# Altium PCB as_x31.PcbDoc (part 3 of 5)
Units mm, origin at the board's own origin, x right, y up, seen from the top; angles counter-clockwise.
Board outline 130 x 100 mm, 6 copper layers (Top Layer, Ground_1, Power_1, Mid_1, Ground_2, Bottom Layer), stack 0.928 mm thick; 402 components, 373 nets, 2529 pads, 1429 vias.
Unrouted connection lines stored in the file: 648.
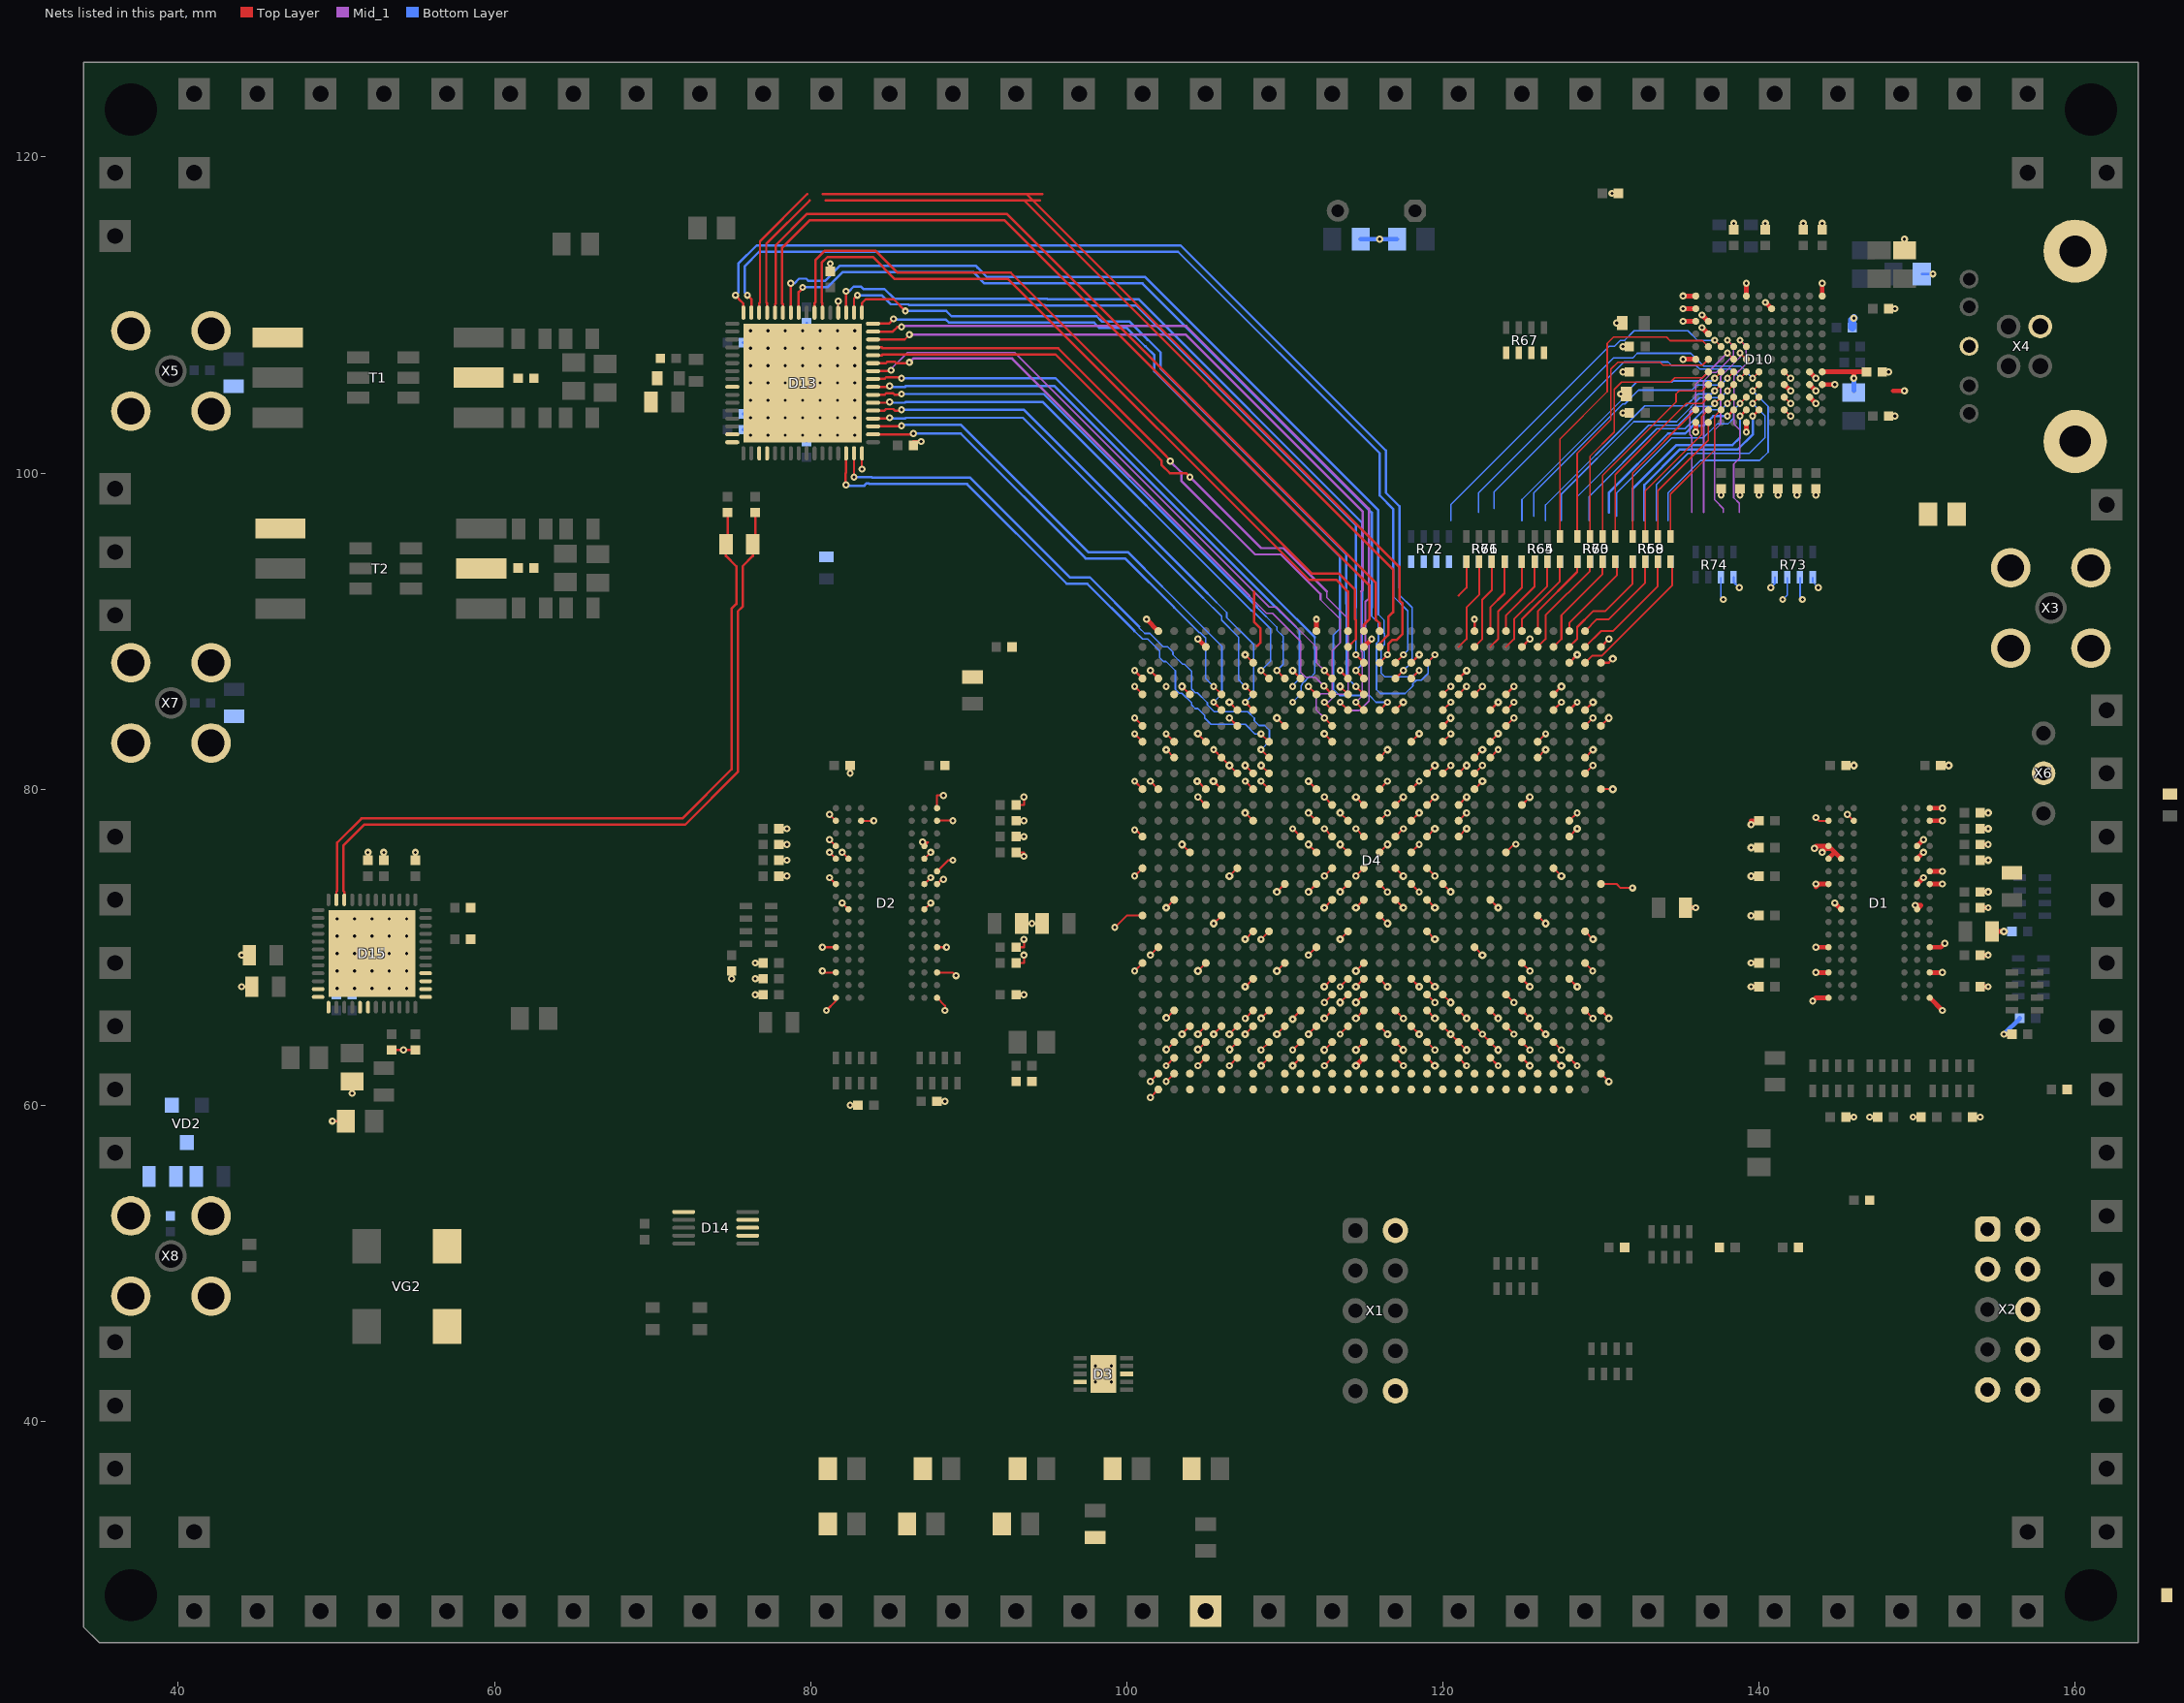
[diagram p6: the nets of this part, all layers, seen from the top]

## Via types
v1: diameter 0.45, hole 0.2, Top Layer to Bottom Layer, 1034 vias
v2: diameter 0.5, hole 0.2, Top Layer to Bottom Layer, 395 vias

## Nets (pads, with @x,y where several pads share a name; then routed paths per layer and width w, separated by ;. In a path a pad name is that pad's centre, name@x,y a point inside that pad or via, vN(x,y) a via of type N, cw(c..) or ccw(c..) an arc to the next point about the centre after c; other vN are vias at no path point)
0V: C1.1 C2.1 C3.2 C4.2 C5.2 C6.2 C7.2 C8.2 C9.2 C10.2 C11.2 C12.2 C13.2 C14.2 C15.1 C16.1 C17.1 C18.1 C19.1 C20.1 C21.1 C22.1 C23.1 C24.1 C25.1 C26.1 C27.1 C28.1 C29.1 C30.1 C31.1 C32.1 C33.1 C34.1 C35.1 C36.1 C37.1 C38.1 C39.1 C40.1 C41.1 C42.1 C43.1 C44.1 C45.1 C46.1 C47.1 C48.1 C49.1 C50.1 C51.1 C52.1 C53.1 C54.1 C55.1 C56.1 C57.1 C58.1 C59.1 C60.1 C61.1 C62.1 C63.1 C64.1 C65.1 C66.1 C67.1 C68.1 C69.1 C70.1 C71.1 C72.1 C73.1 C74.1 C75.1 C76.1 C77.1 C78.1 C79.1 C80.1 C81.1 C82.1 C83.1 C84.1 C85.1 C86.1 C87.1 C88.1 C89.1 C90.1 C91.1 C92.1 C93.1 C94.1 C95.1 C96.1 C97.1 C98.1 C99.1 C100.1 C101.1 C102.1 C103.1 C104.1 C105.1 C106.1 C107.1 C108.1 C109.1 C110.1 C111.1 C112.1 C113.1 C114.1 C115.1 C116.1 C117.1 C118.1 C119.1 C122.1 C123.1 C124.1 C125.1 C126.1 C127.1 C128.1 C129.1 C130.1 C131.1 C132.1 C133.1 C134.1 C135.1 C136.1 C137.1 C138.1 C139.1 C140.1 C141.1 C142.1 C143.2 C144.2 C145.1 C146.1 C147.1 C148.1 C149.2 C150.2 C152.2 C153.2 C154.2 C155.2 C156.2 C157.1 C158.1 C159.1 C160.1 C161.1 C162.1 C163.1 C164.1 C165.1 C166.1 C167.2 C168.2 C169.2 C171.1 C172.1 C173.2 C174.2 C175.2 C176.2 C177.1 C178.1 C179.2 C182.1 C183.1 C184.1 C185.1 C186.1 C187.1 C188.1 C189.1 C190.1 C191.1 C192.1 C193.1 C194.1 C195.1 C196.1 C197.1 C198.1 C199.1 C200.1 C201.1 C202.1 C203.1 C204.1 C205.1 C206.1 C207.1 C208.1 C209.1 C210.1 C211.1 C212.1 C213.1 C214.1 C218.2 C233.2 C234.1 C235.1 C236.1 C237.1 C238.1 C239.1 C240.1 C241.1 C243.1 C244.1 C245.1 C246.1 C247.1 D1.A9 D1.B1 D1.B3 D1.B9 D1.D1 D1.D8 D1.E1 D1.E2 D1.E8 D1.F9 D1.G1 D1.G8 D1.G9 D1.J2 D1.J8 D1.M1 D1.M9 D1.P1 D1.P9 D1.T1 D1.T9 D2.A9 D2.B1 D2.B3 D2.B9 D2.D1 D2.D8 D2.E1 D2.E2 D2.E8 D2.F9 D2.G1 D2.G8 D2.G9 D2.J2 D2.J8 D2.M1 D2.M9 D2.P1 D2.P9 D2.T1 D2.T9 D3.4 D3.8 D3.11 D4.A9 D4.A12 D4.A15 D4.A17 D4.A20 D4.A23 D4.A24 D4.A26 D4.A27 D4.AA1 D4.AA2 D4.AA3 D4.AA4 D4.AA6 D4.AA17 D4.AA18 D4.AA19 D4.AA21 D4.AA27 D4.AB1 D4.AB2 D4.AB5 D4.AB10 D4.AB20 D4.AB21 D4.AB22 D4.AB30 D4.AC1 D4.AC2 D4.AC3 D4.AC4 D4.AC6 D4.AC13 D4.AC22 D4.AC23 D4.AC25 D4.AD1 D4.AD2 D4.AD5 D4.AD7 D4.AD16 D4.AD26 D4.AE1 D4.AE2 D4.AE3 D4.AE4 D4.AE6 D4.AE8 D4.AE9 D4.AE19 D4.AE29 D4.AF1 D4.AF2 D4.AF5 D4.AF12 D4.AF22 D4.AF23 D4.AG1 D4.AG2 D4.AG3 D4.AG4 D4.AG15 D4.AG25 D4.AG26 D4.AH1 D4.AH2 D4.AH3 D4.AH8 D4.AH17 D4.AH18 D4.AH25 D4.AH28 D4.AJ6 D4.AJ9 D4.AJ11 D4.AJ21 D4.AJ22 D4.AJ24 D4.AJ25 D4.AK2 D4.AK6 D4.AK14 D4.AK20 D4.AK24 D4.AK28 D4.AK29 D4.B1 D4.B2 D4.B10 D4.B20 D4.B27 D4.B30 D4.C2 D4.C3 D4.C4 D4.C6 D4.C13 D4.C22 D4.C23 D4.C26 D4.D1 D4.D2 D4.D5 D4.D16 D4.D26 D4.E3 D4.E4 D4.E5 D4.E9 D4.E19 D4.E20 D4.E23 D4.E29 D4.F1 D4.F2 D4.F5 D4.F12 D4.F20 D4.F22 D4.G3 D4.G4 D4.G5 D4.G15 D4.G21 D4.G24 D4.G25 D4.H1 D4.H2 D4.H5 D4.H6 D4.H8 D4.H11 D4.H18 D4.H20 D4.H21 D4.H28 D4.J3 D4.J4 D4.J6 D4.J11 D4.J20 D4.J21 D4.K1 D4.K2 D4.K5 D4.K9 D4.K14 D4.K24 D4.L1 D4.L2 D4.L3 D4.L4 D4.L6 D4.L17 D4.L27 D4.M1 D4.M2 D4.M5 D4.M10 D4.M14 D4.M16 D4.M18 D4.M20 D4.M26 D4.M30 D4.N1 D4.N2 D4.N3 D4.N4 D4.N6 D4.N7 D4.N8 D4.N13 D4.N15 D4.N17 D4.N19 D4.N23 D4.P1 D4.P2 D4.P5 D4.P7 D4.P8 D4.P11 D4.P14 D4.P16 D4.P18 D4.P26 D4.P27 D4.R1 D4.R2 D4.R3 D4.R4 D4.R6 D4.R7 D4.R8 D4.R9 D4.R13 D4.R15 D4.R17 D4.R19 D4.R29 D4.T1 D4.T2 D4.T5 D4.T8 D4.T12 D4.T14 D4.T16 D4.T18 D4.T20 D4.T22 D4.U1 D4.U2 D4.U3 D4.U4 D4.U6 D4.U13 D4.U15 D4.U17 D4.U19 D4.U25 D4.V1 D4.V2 D4.V5 D4.V8 D4.V14 D4.V16 D4.V18 D4.V20 D4.V23 D4.V28 D4.W1 D4.W2 D4.W3 D4.W4 D4.W6 D4.W7 D4.W8 D4.W11 D4.W13 D4.W15 D4.W17 D4.W19 D4.W21 D4.Y1 D4.Y2 D4.Y5 D4.Y7 D4.Y14 D4.Y24 D5.5 D6.1 D6.5 D6.14 D6.24 D6.25 D7.2 D7.3 D7.15 D8.2 D8.3 D8.15 D9.6 D9.17 D10.A1 D10.A8 D10.B7 D10.B8 D10.B9 D10.D8 D10.E2 D10.G1 D10.G11 D10.K3 D10.K4 D10.L1 D10.L2 D10.L3 D10.L6 D10.L11 D11.1 D11.2 D11.3 D11.4 D11.7 D12.6 D12.17 D13.20 D13.64 D15.49 pad.3@105,28 R13.2 R14.2 R15.1 R16.1 R20.1 R22.2 R23.2 R24.2 R33.1 R38.1 R39.2 R42.2 R44.1 R45.2 R49.1 R52.1 R53.2 R54.1 R59.1 R60.2 R61.1 R68.2 R79.2 R80.2 R83.1 R104.1 R105.2 R106.2 R109.2 R?.1 VD2.3 VG1.2 VG2.2 X1.2 X1.10 X2.2 X2.4 X2.6 X2.8 X2.9 X2.10 X3.2 X4.4 X4.7 X4.10 X6.2 X8.2 | length 248.7
  Top Layer w0.125: v1(75,68) C14.2@75,68.5 ; v1(76.5,67) C52.1@77,67 ; v1(76.5,68) C32.1@77,68 ; v1(76.5,69) C53.1@77,69 ; C54.1@78,74.5 v1(78.5,74.5) ; C55.1@78,75.5 v1(78.5,75.5) ; C56.1@78,76.5 v1(78.5,76.5) ; C57.1@78,77.5 v1(78.5,77.5) ; v1(80.75,68.5) 80.85,68.4 D2.P1@81.6,68.4 ; v1(80.75,70) D2.M1@81.6,70 ; v1(81,66) 81.6,66.6 D2.T1@81.6,66.8 ; v1(81.2,74.4) D2.G1@81.6,74 ; v1(81.2,76) D2.E1@81.6,75.6 ; v1(81.2,76.8) D2.D1@81.6,76.4 ; v1(81.2,78.4) D2.B1@81.6,78 ; D13.20@81.75,110.15 v1(81.75,110.875) ; v1(82,72.8) D2.J2@82.4,72.4 ; v1(82,76) D2.E2@82.4,75.6 ; v1(82.5,60) C10.2@83,60 ; v1(82.5,81) C59.1@82.5,81.5 ; D2.B3@83.2,78 v1(84,78) ; v1(83.25,100.25) D13.64@83.25,101.25 ; v1(87.083,76.65) 87.45,76.65 D2.D8@87.2,76.4 ; D2.J8@87.2,72.4 v1(87.6,72.8) ; D2.G8@87.2,74 v1(87.6,74.4) ; D2.E8@87.2,75.6 v1(87.6,76) ; C12.2@88,60.25 v1(88.5,60.25) ; D2.T9@88,66.8 88.5,66.3 v1(88.5,66) ; D2.P9@88,68.4 89,68.4 v1(89.2,68.2) ; D2.M9@88,70 88.4,70 v1(88.6,70) ; D2.G9@88,74 88.4,74.4 v1(88.4,74.3) ; D2.F9@88,74.8 88.7,75.5 v1(89,75.5) ; D2.B9@88,78 88.025,78.025 88.975,78.025 v1(89,78) ; D2.A9@88,78.8 88,79.6 v1(88.4,79.6) ; C31.1@93,67 v1(93.5,67) ; C33.1@93,69 93.5,69 v1(93.5,69.5) ; C34.1@93,70 93.5,70 v1(93.5,70.5) ; C35.1@93,76 93.5,76 ; C36.1@93,77 v1(93.5,77) ; C37.1@93,78 v1(93.5,78) ; C38.1@93,79 93.5,79 v1(93.5,79.5) ; v1(93.5,75.75) 93.5,76 ; v1(94,71.5) R16.1@93.35,71.5 R23.2@94.65,71.5 ; v1(99.25,71.25) 100,72 D4.A12@101,72 ; v1(100.5,68.5) D4.A9@101,69 ; v1(100.5,74.5) D4.A15@101,75 ; v1(100.5,77.425) 100.5,77.5 D4.A17@101,77 ; v1(100.5,80.5) D4.A20@101,80 D4.A20@101.01,80.01 ; v1(100.5,83.5) D4.A23@101,83 ; v1(100.5,84.5) D4.A24@101,84 ; v1(100.5,86.5) D4.A26@101,86 ; v1(101.5,60.5) D4.B1@102,61 D4.B1@102.006,61.006 ; v1(101.5,61.5) D4.B2@102,62 ; v1(101.5,69.5) D4.B10@102,70 ; v1(101.5,80.5) D4.B20@102,80 D4.B20@101.99,80.01 ; v1(102.5,61.5) D4.C2@103,62 D4.C2@102.997,62.003 ; v1(102.5,62.5) D4.C3@103,63 ; v2(102.5,72.5) D4.C13@103,73 ; v2(102.5,82.5) D4.C22@103,82 ; v1(102.5,83.5) D4.C23@103,83 ; v2(102.505,63.528) 102.505,63.505 102.5,63.5 D4.C4@103,64 ; v2(102.505,65.528) 102.505,65.505 102.5,65.5 D4.C6@103,66 ; v2(103.5,64.5) D4.D5@104,65 ; v2(103.5,76.5) D4.D16@104,76 ; v2(103.5,86.5) D4.D26@104,86 ; D4.D1@104,61 D4.D1@104.013,61.013 ; D4.D2@104,62 D4.D2@104.013,61.987 ; v2(104.455,80.504) 104.496,80.504 104.5,80.5 D4.E20@105,80 ; v1(104.5,62.5) D4.E3@105,63 ; v2(104.5,64.5) D4.E5@105,65 ; v2(104.5,68.5) D4.E9@105,69 ; v1(104.5,79.5) D4.E19@105,79 ; v2(104.5,83.5) D4.E23@105,83 ; v2(104.505,63.528) 104.505,63.505 104.5,63.5 D4.E4@105,64 ; v2(105.48,80.504) 105.504,80.504 v2(105.5,80.5) D4.F20@106,80 ; v2(105.5,64.5) D4.F5@106,65 ; v2(105.5,71.5) D4.F12@106,72 ; v1(105.5,82.5) D4.F22@106,82 D4.G21@107,81 v2(106.5,81.5) ; v1@106.477,62.477 D4.G3@107,63 v1(106.5,62.5) ; v2(106.5,64.5) D4.G5@107,65 106.795,64.795 ; v2(106.5,74.5) D4.G15@107,75 ; v2(106.5,85.5) D4.G25@107,85 ; v2(106.505,63.528) 106.505,63.505 106.5,63.5 D4.G4@107,64 ; v2(107.5,64.5) D4.H5@108,65 ; v1(107.5,65.5) D4.H6@108,66 ; v2(107.5,67.5) D4.H8@108,68 ; v2(107.5,70.5) D4.H11@108,71 ; v2(107.5,78.5) D4.H18@108,78 ; v1(107.5,80.5) D4.H20@108,80 ; v2(107.5,81.5) D4.H21@108,81 ; v2(107.5,88.5) D4.H28@108,88 ; D4.H1@107.975,61.025 D4.H1@108,61 ; D4.H2@107.975,61.975 D4.H2@108,62 ; v2@108.483,62.483 D4.J3@109,63 v2(108.5,62.5) ; v1(108.5,63.5) D4.J4@109,64 ; v2(108.5,65.5) D4.J6@109,66 ; v1(108.5,70.5) D4.J11@109,71 ; v1(108.5,80.5) D4.J20@109,80 ; v2@108.509,81.509 v2(108.5,81.5) D4.J21@109,81 ; v2(109.5,64.5) D4.K5@110,65 ; v2(109.5,68.5) D4.K9@110,69 ; v2(109.5,73.5) D4.K14@110,74 ; v2(109.5,84.5) D4.K24@110,84 ; v2(110.5,62.5) D4.L3@111,63 ; v1(110.5,63.5) D4.L4@111,64 ; v1(110.5,77.5) D4.L17@111,77 ; v2(110.5,87.5) D4.L27@111,87 ; v2(110.505,65.453) 110.505,65.495 110.5,65.5 D4.L6@111,66 ; v2(111.5,64.5) D4.M5@112,65 ; v1(111.5,69.5) D4.M10@112,70 ; v2(111.5,73.5) D4.M14@112,74 ; v2(111.5,76.5) D4.M16@112,76 ; v2(111.5,78.5) D4.M18@112,78 ; v2(111.5,80.5) D4.M20@112,80 ; v1(111.5,86.5) D4.M26@112,86 ; D4.M2@111.976,61.976 D4.M2@112,62 ; D4.M1@111.989,61.011 D4.M1@112,61 ; v1(112.5,62.5) D4.N3@113,63 ; v2(112.5,63.5) D4.N4@113,64 ; v2(112.5,65.5) D4.N6@113,66 ; v1(112.5,66.5) D4.N7@113,67 ; v2(112.5,67.5) D4.N8@113,68 ; v2(112.5,72.5) D4.N13@113,73 ; v1(112.5,74.5) D4.N15@113,75 ; v1(112.5,77.5) D4.N17@113,77 ; v1(112.5,79.5) D4.N19@113,79 ; v2(112.5,83.5) D4.N23@113,83 ; D4.N1@113,61 D4.N1@113.005,61.005 ; D4.N2@113,62 D4.N2@113.005,61.995 ; v1(113.5,64.5) D4.P5@114,65 ; v2(113.5,66.5) D4.P7@114,67 ; v1(113.5,67.5) D4.P8@114,68 ; v2(113.5,70.5) D4.P11@114,71 ; v2(113.5,73.5) D4.P14@114,74 ; v2(113.5,76.5) D4.P16@114,76 ; v2(113.5,78.5) D4.P18@114,78 ; v2(113.5,86.5) D4.P26@114,86 ; v2(114.5,63.5) D4.R4@115,64 ; v2(114.5,65.5) D4.R6@115,66 ; v2(114.5,66.5) D4.R7@115,67 ; v2(114.5,67.5) D4.R8@115,68 ; v2(114.5,68.5) D4.R9@115,69 ; v2(114.5,72.5) D4.R13@115,73 ; v1(114.5,74.5) D4.R15@115,75 ; v1(114.5,77.5) D4.R17@115,77 ; v2(114.5,79.5) D4.R19@115,79 ; D4.R1@114.986,61.014 D4.R1@115,61 ; D4.R2@114.986,61.986 D4.R2@115,62 ; D4.T1@116,61 D4.T1@116.011,61.011 ; D4.T5@116,65 v2(116.5,64.5) ; D4.T8@116,68 v2(116.5,67.5) ; D4.T12@116,72 v2(116.5,71.5) ; D4.T14@116,74 v1(116.5,73.5) ; D4.T16@116,76 v2(116.5,76.5) ; D4.T18@116,78 v1(116.5,78.5) ; D4.T20@116,80 v1(116.5,80.5) ; D4.T22@116,82 v2(116.5,82.5) ; D4.U1@116.989,61.011 D4.U1@117,61 ; D4.U3@117,63 v1(117.5,62.5) ; D4.U4@117,64 v2(117.5,63.5) ; D4.U6@117,66 v1(117.5,65.5) ; D4.U13@117,73 v2(117.5,72.5) ; D4.U15@117,75 v2(117.5,74.5) ; D4.U17@117,77 v1(117.5,77.5) ; D4.U19@117,79 v2(117.5,79.5) ; D4.U25@117,85 v2(117.5,85.5) ; D4.V2@117.976,61.976 D4.V2@118,62 ; D4.V1@117.983,61.017 D4.V1@118,61 D4.V1@118.011,61.011 ; D4.V5@118,65 v2(118.5,64.5) ; D4.V8@118,68 v2(118.5,67.5) ; D4.V14@118,74 v1(118.5,73.5) ; D4.V16@118,76 v1(118.5,76.5) ; D4.V18@118,78 v2(118.5,78.5) ; D4.V20@118,80 v1(118.5,80.5) ; D4.V23@118,83 v2(118.5,83.5) ; D4.W1@118.989,61.011 D4.W1@119,61 D4.W1@119.011,61.011 ; D4.W3@119,63 v2(119.5,62.5) ; D4.W4@119,64 v1(119.5,63.5) ; D4.W6@119,66 v2(119.5,65.5) ; D4.W7@119,67 v1(119.5,66.5) ; D4.W8@119,68 v2(119.5,67.5) ; D4.W11@119,71 v2(119.5,70.5) ; D4.W13@119,73 v2(119.5,72.5) ; D4.W15@119,75 v1(119.5,74.5) ; D4.W17@119,77 v2(119.5,77.5) ; D4.W19@119,79 v2(119.5,79.5) ; D4.W21@119,81 v2(119.5,81.5) ; D4.Y1@119.989,61.011 D4.Y1@120,61 D4.Y1@120.011,61.011 ; D4.Y7@120,67 v2(120.5,66.5) ; D4.Y14@120,74 v2(120.5,73.5) ; v2(120.5,64.5) D4.Y5@120,65 120.814,64.186 121,64.186 D4.AA4@121,64 v2(121.5,63.5) ; D4.AA1@120.989,61.011 D4.AA1@121,61 D4.AA1@121.011,61.011 ; D4.AA3@121,63 v1(121.5,62.5) ; D4.AA6@121,66 v2(121.5,65.5) ; D4.AA17@121,77 v2(121.5,77.5) ; D4.AA18@121,78 v1(121.5,78.5) ; D4.AA19@121,79 v2(121.5,79.5) ; D4.AA21@121,81 v2(121.5,81.5) ; D4.AB1@121.989,61.011 D4.AB1@122,61 D4.AB1@122.022,61.022 ; D4.AB10@122,70 v2(122.5,69.5) ; D4.AB20@122,80 v2(122.5,80.5) ; D4.AB21@122,81 v1(122.5,81.5) ; D4.AB22@122.017,82.017 D4.AB22@122,82 v2(122.5,82.5) ; v1(122.5,64.5) D4.AB5@122,65 122.814,64.186 123,64.186 D4.AC4@123,64 v2(123.5,63.5) ; D4.AC2@122.976,61.976 D4.AC2@123,62 ; D4.AC22@122.983,82.017 D4.AC22@123,82 v1(123.5,82.5) ; D4.AC1@122.987,61.013 D4.AC1@123,61 ; D4.AC3@123,63 v1(123.5,62.5) ; D4.AC6@123,66 v2(123.5,65.5) ; D4.AC13@123,73 v2(123.5,72.5) ; D4.AC23@123,83 v2(123.5,83.5) ; D4.AD1@123.977,61.023 D4.AD1@124,61 D4.AD1@124.011,61.011 ; D4.AD2@123.977,61.977 D4.AD2@124,62 ; D4.AD5@124,65 v1(124.5,64.5) ; D4.AD7@124,67 v1(124.5,66.5) ; D4.AD16@124,76 124.5,76.5 124.625,76.5 v1(124.625,76.513) ; D4.AE1@124.989,61.011 D4.AE1@125,61 ; D4.AE3@125,63 v2(125.5,62.5) ; D4.AE4@125,64 v1(125.5,63.5) ; D4.AE6@125,66 v2(125.5,65.5) ; D4.AE8@125,68 v2(125.5,67.5) ; D4.AE9@125,69 v1(125.5,68.5) ; D4.AE19@125,79 v2(125.5,79.5) ; D4.AF1@126,61 D4.AF1@126.011,61.011 ; D4.AF5@126,65 v2(126.5,64.5) ; D4.AF12@126,72 v2(126.5,71.5) ; D4.AF22@126,82 v2(126.5,82.5) ; D4.AF23@126,83 v1(126.5,83.5) ; D4.AG1@126.989,61.011 D4.AG1@127,61 ; D4.AG2@127,62 D4.AG2@127.024,61.976 ; D4.AG3@127,63 v2(127.5,62.5) ; D4.AG4@127,64 v1(127.5,63.5) ; D4.AG15@127,75 v2(127.5,74.5) ; D4.AH2@127.976,61.976 D4.AH2@128,62 ; D4.AH1@127.991,61.009 D4.AH1@128,61 ; D4.AH3@128,63 v1(128.5,62.5) ; D4.AH8@128,68 v2(128.5,67.5) ; D4.AH17@128,77 v2(128.5,77.5) ; D4.AH18@128,78 v1(128.5,78.5) ; D4.AJ6@129,66 v1(129.5,65.5) ; D4.AJ9@129,69 129.5,68.5 v1(129.474,68.5) ; D4.AJ11@129,71 v2(129.5,70.5) ; D4.AJ21@129,81 v1(129.5,81.5) ; 129.261,84.261 D4.AJ24@129,84 v1(129.5,84.5) ; v2@129.489,82.489 D4.AJ22@129,82 v2(129.5,82.5) ; D4.AK2@130,62 v2(130.5,61.5) ; D4.AK6@130,66 v2(130.5,65.5) ; D4.AK14@130,74 131,74 131.25,73.75 v1(132,73.75) ; D4.AK20@130,80 v2(130.75,80) ; D4.AK24@130,84 v2(130.5,84.5) ; v1(139.5,72) C44.1@140,72 ; v1(143.6,78.2) 143.8,78 D1.B1@144.4,78 ; C20.1@145.5,59.25 v1(146,59.25) ; v1(145.6,78.4) D1.B3@146,78 ; v1(147,59.25) C19.1@147.5,59.25 ; v1(149.75,59.25) C1.1@150.25,59.25 ; C13.2@153.5,59.25 v1(154,59.25)
  Top Layer w0.15: v1(44,67.5) R106.2@44.65,67.5 ; v1(44,69.5) R105.2@44.5,69.5 ; v1(49.75,59) C246.1@50.6,59 ; v1(51,60.75) C247.1@51,61.5 ; C237.1@52,75.5 v1(52,76) ; C241.1@53,75.5 v1(53,76) ; C245.1@53.5,63.5 v1(54.25,63.5) C236.1@55,63.5 ; C238.1@55,75.5 v1(55,76) ; C235.1@81.25,112.75 v1(81.25,113.25) ; C234.1@86.5,102 v1(87,102) ; v1(100.5,87.5) D4.A27@101,87 ; v1(101.5,87.5) D4.B27@102,87 ; v1(106.5,84.5) D4.G24@107,84 ; v1(113.5,87.5) D4.P27@114,87 ; D4.V28@118,88 v2(118.5,88.5) ; D4.Y24@120,84 v2(120.5,84.5) ; D4.AA27@121,87 v2(121.5,87.5) ; D4.AB30@122,90 v1@122,90.75 ; D4.AC25@123,85 v2(123.5,85.5) ; D4.AD26@124,86 v1(124.5,86.5) ; D4.AE29@125,89 v1(125.5,89.5) ; D4.AG25@127,85 v1(127.5,85.5) ; D4.AG26@127,86 v2(127.5,86.5) ; D4.AH25@128,85 v1(128.5,85.5) ; D4.AH28@128,88 v2(128.5,88.5) ; D4.AJ25@129,85 v2(129.5,85.5) ; D4.AK28@130,88 130.5,88 v2(130.75,88.25) ; D4.AK29@130,89 v1(130.5,89.5) ; v1(131,109.5) R79.2@131.35,109.5 ; v1(131.25,105) R80.2@131.6,105
  Top Layer w0.3: v1(101.25,90.75) D4.B30@102,90 ; v1(104.5,89.5) D4.E29@105,89 ; D4.M30@112,90 v1(112,90.75) ; v2(114.5,62.5) D4.R3@115,63 ; D4.R29@115,89 v1(115.5,89.5) ; v1(130.7,117.7) C212.1@131.1,117.7 ; v1(131.4,103.8) C207.1@131.8,103.8 ; v1(131.4,106.4) C197.1@131.8,106.4 C197.1@131.9,106.4 ; v1(131.4,108) C198.1@131.8,108 ; v1(135.2,107.2) D10.L6@136,107.2 ; v1(135.2,109.6) D10.L3@136,109.6 ; v1(135.2,110.4) D10.L2@136,110.4 ; v1(135.2,111.2) D10.L1@136,111.2 ; R24.2@135.35,72.5 v1(136,72.5) ; v1(136,102.6) D10.L11@136,103.2 ; v1(136.4,109.2) D10.K4@136.8,108.8 ; v1(136.4,110) D10.K3@136.8,109.6 ; v1(137.6,98.6) C196.1@137.6,99 ; C199.1@138.4,115.4 v1(138.4,115.8) ; v1(138.8,98.6) C206.1@138.8,99 ; v1(139.2,102.6) D10.G11@139.2,103.2 ; D10.G1@139.2,111.2 v1(139.2,112) ; v1(139.5,77.75) 139.5,78 ; v1(139.5,67.5) C51.1@140,67.5 ; v1(139.5,69) C48.1@140,69 ; v2(139.5,74.5) C49.1@140,74.5 ; v2(139.5,76.3) C45.1@140,76.3 ; 139.5,78 C50.1@140,78 ; v1(140,98.6) C195.1@140,99 ; v1(140.4,110.8) D10.E2@140.8,110.4 ; C208.1@140.4,115.4 v1(140.4,115.8) ; v1(141.2,98.6) C214.1@141.2,99 ; D10.D8@141.6,105.6 v1(142,105.2) ; v1(142.4,98.6) C213.1@142.4,99 ; C205.1@142.8,115.4 v1(142.8,115.8) ; D10.B9@143.2,104.8 v1(143.6,104.4) ; D10.B8@143.2,105.6 v1(143.6,105.2) ; D10.B7@143.2,106.4 v1(143.6,106) ; v1(143.4,66.6) 143.6,66.8 D1.T1@144.4,66.8 ; v1(143.5,76.25) 143.55,76.25 143.6,76.2 143.6,76.4 D1.D1@144.4,76.4 ; v1(143.6,68.4) D1.P1@144.4,68.4 ; v1(143.6,70) D1.M1@144.4,70 ; v1(143.6,74) 143.6,73.8 143.8,74 D1.G1@144.4,74 ; v1(143.6,98.6) C194.1@143.6,99 ; v1(144.001,76.001) 144.25,76.25 144.55,76.25 D1.E2@145.2,75.6 ; D10.A8@144,105.6 v1(144.8,105.6) ; D10.A1@144,111.2 v1(144,112) ; C193.1@144,115.4 v1(144,115.8) ; D1.E1@144.4,75.6 144.8,76 ; v1(144.8,72.8) D1.J2@145.2,72.4 ; C47.1@145.5,81.5 v2(146,81.5) ; C190.1@147.8,106.4 v1(148.2,106.4) ; C192.1@148.2,103.6 v1(148.6,103.6) ; C185.1@148.2,110.4 v1(148.6,110.4) ; 148.5,105.2 v1(149.2,105.2) ; C186.1@149.2,114.1 v1(149.2,114.8) ; v1(149.883,72.65) 150.25,72.65 D1.J8@150,72.4 ; D1.G8@150,74 v1(150.4,74.4) ; D1.E8@150,75.6 v1(150.4,76) ; D1.D8@150,76.4 v1(150.4,76.8) ; D1.T9@150.8,66.8 v1(151.6,66) ; D1.P9@150.8,68.4 v1(151.6,68.4) ; D1.M9@150.8,70 151.5,70 v1(151.75,70.25) ; D1.G9@150.8,74 v1(151.6,74) ; D1.F9@150.8,74.8 v1(151.6,74.8) ; D1.B9@150.8,78 v1(151.6,78) ; D1.A9@150.8,78.8 v1(151.6,78.8) ; C23.1@151.5,81.5 v2(152,81.5) ; C46.1@154,67.5 v1(154.5,67.5) ; C24.1@154,69.5 v1(154.5,69.5) ; C25.1@154,72.5 v1(154.5,72.5) ; C26.1@154,73.5 v2(154.5,73.5) ; C27.1@154,75.5 v2(154.5,75.5) ; C28.1@154,76.5 v1(154.5,76.5) ; C29.1@154,77.5 v2(154.5,77.5) ; R13.2@154.7,71 R13.2@154.75,71 v2(155.5,71) ; v1(155.5,64.5) C9.2@156,64.5